# Altium PCB Roll_Min_R00.PcbDoc (part 1 of 2) (continued)
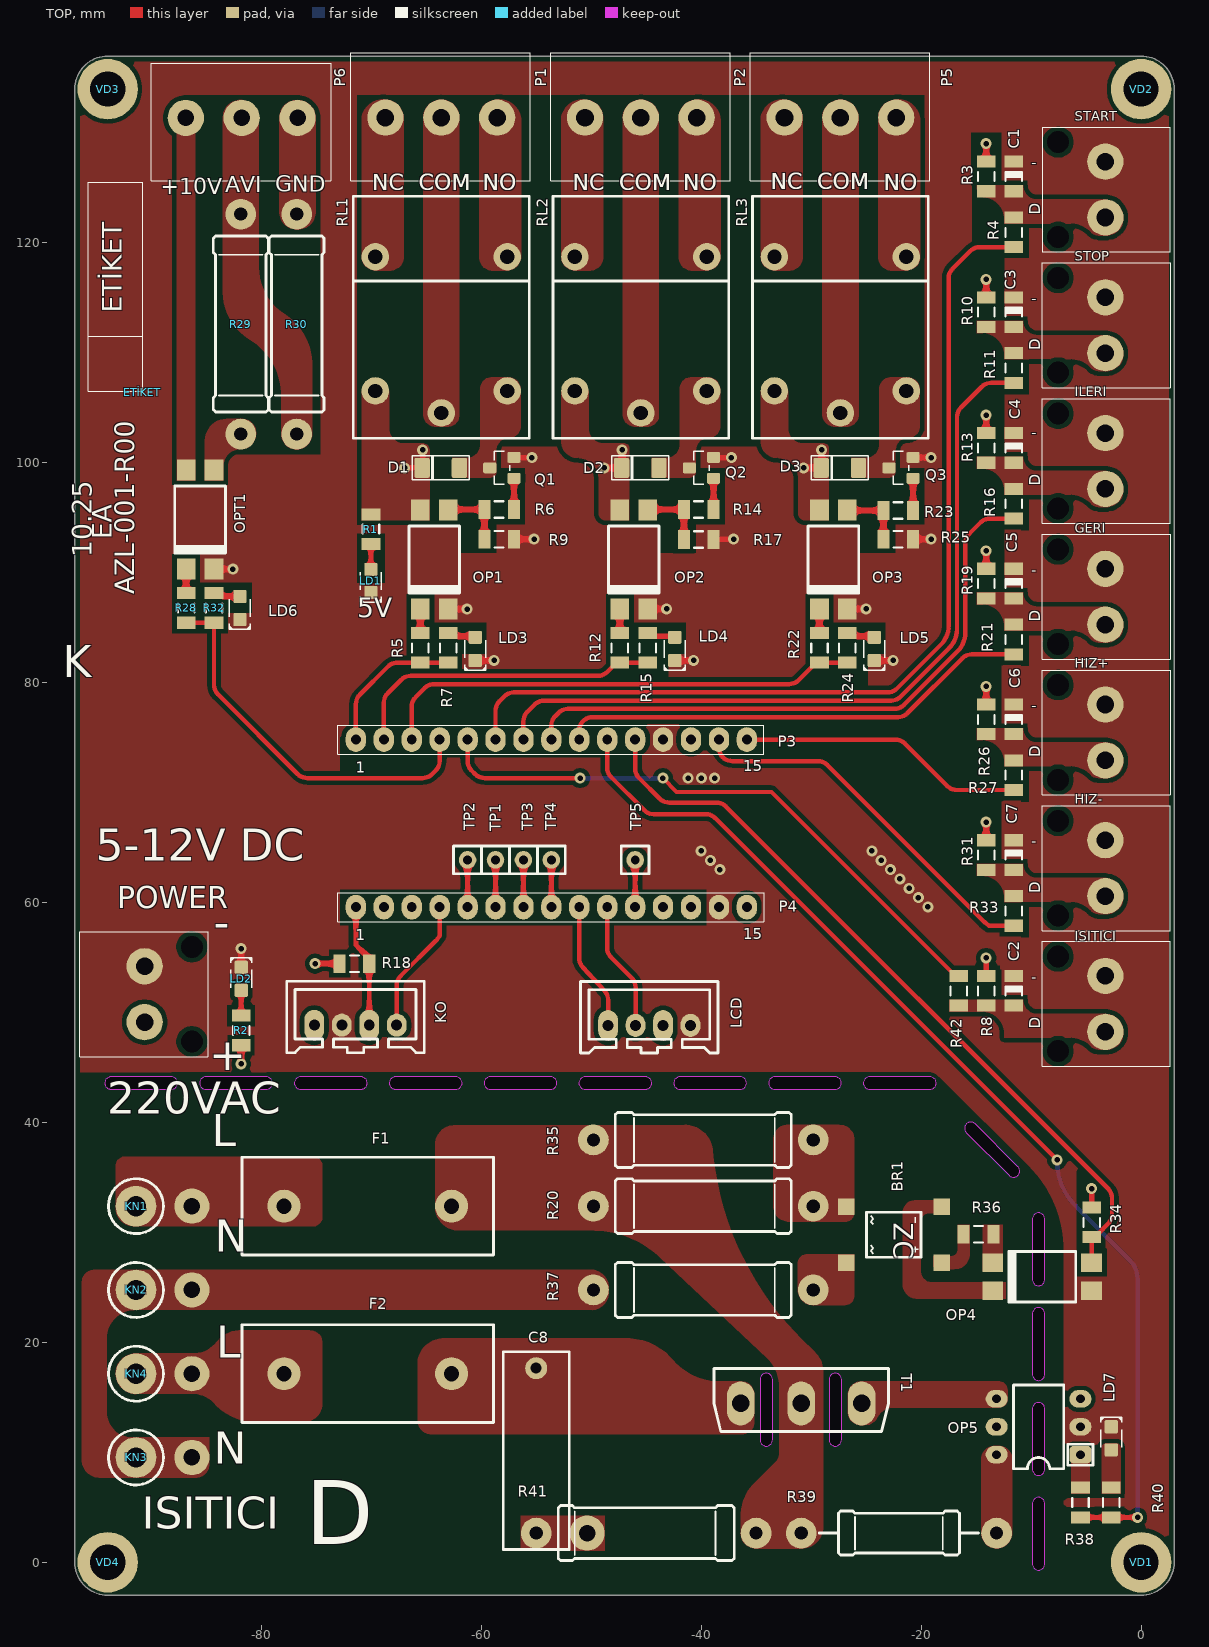
[diagram p0: TOP view]
## Nets (pads, with @x,y where several pads share a name; then routed paths per layer and width w, separated by ;. In a path a pad name is that pad's centre, name@x,y a point inside that pad or via, vN(x,y) a via of type N, cw(c..) or ccw(c..) an arc to the next point about the centre after c; other vN are vias at no path point) (continued)
IN_LINE: F1.1 R20.2 R35.2 R39.2 R41.2 T1.2
ISITICI: P3.10 R38.1 R40.2 | length 98.8
  TOP w0.4: P3.10@-48.565,74.829 -48.565,72.27 ccw(c-47.365,72.27) -48.215,71.423 -45.185,68.393 ccw(c-44.338,69.243) -44.338,68.043 -39.588,68.043 cw(c-39.588,66.843) -38.738,67.691 -7.65,36.603 v1(-7.65,36.6) ; R38.1@-5.524,4.087 R40.2@-2.724,4.087 v1(-0.324,4.087)
  BOT w0.4: v1(-7.65,36.6) -7.65,36.481 ccw(c-1.901,36.481) -5.966,32.416 -1.025,27.475 cw(c-2.728,25.778) -0.324,25.778 v1(-0.324,4.087)
ISITICI_ON/OFF: P3.5 R42.1 | length 54.9
  TOP w0.35: v1(-43.506,71.329) -42.252,70.075 -33.636,70.075 -16.893,53.332 R42.1@-16.593,53.332
  TOP w0.4: P3.5@-61.265,74.829 -61.265,72.876 ccw(c-60.065,72.876) -60.914,72.028 -60.566,71.68 ccw(c-59.718,72.529) -59.718,71.329 v1(-51.025,71.329)
  BOT w0.4: v1(-51.025,71.329) v1(-43.506,71.329)
KO_A: KO.4 P4.4 | length 12.3
  TOP w0.4: KO.4@-67.71,48.854 -67.71,52.476 cw(c-66.51,52.476) -67.359,53.325 -64.156,56.528 ccw(c-65.005,57.376) -64.025,56.683 -63.805,56.994 P4.4@-63.805,59.589
KO_D: KO.3 P4.1 R18.2 | length 11.2
  TOP w0.45: P4.1@-71.425,59.589 -71.425,56.165 -70.21,54.95 -70.21,54.65 KO.3@-70.21,48.854
NetBR1_1: BR1.1 R20.1 R35.1
NetBR1_2: BR1.2 R37.1
NetBR1_3: BR1.3 R36.1
NetBR1_4: BR1.4 OP4.2
NetC1_2: C1.2 R3.1 R4.1 START.2
NetC2_2: C2.2 ISITICI.2 R8.1 R42.2
NetC3_2: C3.2 R10.1 R11.1 STOP.2
NetC4_2: C4.2 ILERI.2 R13.1 R16.1
NetC5_2: C5.2 GERI.2 R19.1 R21.1
NetC6_2: C6.2 HIZ+.2 R26.1 R27.1
NetC7_2: C7.2 HIZ-.2 R31.1 R33.1
NetC8_1: C8.1 F2.1 T1.1
NetC8_2: C8.2 pad.2@-50.399,2.653 R41.1
NetD1_2: D1.2 Q1.3 RL1.2
NetD2_2: D2.2 Q2.3 RL2.2
NetD3_2: D3.2 Q3.3 RL3.2
NetF1_2: F1.2 KN1.1 pad.2@-86.344,32.393
NetF2_2: F2.2 KN4.1 pad.2@-86.344,17.153
NetLD1_2: LD1.2 R1.1 | length 2.3
  TOP w0.4: LD1.2@-70.058,90.313 R1.1@-70.058,92.613
NetLD2_2: LD2.2 R2.1 | length 2.3
  TOP w0.4: R2.1@-81.856,49.748 LD2.2@-81.856,52.048
NetLD3_2: LD3.2 R7.1 | length 2.5
  TOP w0.5: R7.1@-63.024,84.529 -62.72,84.225 LD3.2@-60.671,84.225
NetLD4_2: LD4.2 R15.1 | length 2
  TOP w0.5: R15.1@-44.57,84.225 LD4.2@-42.521,84.225
NetLD5_2: LD5.2 R24.1 | length 2.5
  TOP w0.5: R24.1@-26.724,84.529 -26.42,84.225 LD5.2@-24.371,84.225
NetLD6_2: LD6.2 R32.1 | length 2.5
  TOP w0.5: R32.1@-84.328,88.155 -84.024,87.851 LD6.2@-81.975,87.851
NetLD7_2: LD7.2 R40.1
NetOP1_1: OP1.1 R5.2 | length 2.2
  TOP w0.5: R5.2@-65.564,84.529 OP1.1@-65.564,86.769
NetOP1_3: OP1.3 R6.1 R9.2 | length 5.7
  TOP w0.5: OP1.3@-62.922,95.763 R6.1@-59.744,95.763 R9.2@-59.744,93.263
NetOP2_1: OP2.1 R12.2 | length 4.5
  TOP w0.5: R12.2@-47.414,84.529 -47.414,86.769 R12.2@-47.414,84.529
NetOP2_3: OP2.3 R14.1 R17.2 | length 11.4
  TOP w0.5: R14.1@-41.594,95.763 -41.594,93.263 R14.1@-41.594,95.763 ; R14.1@-41.594,95.763 -44.772,95.763 R14.1@-41.594,95.763
NetOP3_1: OP3.1 R22.2 | length 2.2
  TOP w0.5: R22.2@-29.264,84.529 OP3.1@-29.264,86.769
NetOP3_3: OP3.3 R23.1 R25.2 | length 5.6
  TOP w0.5: OP3.3@-26.622,95.663 R23.1@-23.444,95.663 R25.2@-23.444,93.263
NetOP4_1: OP4.1 R36.2
NetOP5_1: OP5.1 R38.2
NetOP5_4: OP5.4 T1.3
NetOP5_6: OP5.6 R39.1
NetOPT1_1: OPT1.1 R28.2 | length 2.2
  TOP w0.5: OPT1.1@-86.868,90.395 R28.2@-86.868,88.155
NetOPT1_3: OPT1.3 R29.1
NetOPT1_4: OPT1.4 P6.1
NetP1_1: P1.1 RL1.4
NetP1_2: P1.2 RL1.1
NetP1_3: P1.3 RL1.3
NetP2_1: P2.1 RL2.4
NetP2_2: P2.2 RL2.1
NetP2_3: P2.3 RL2.3
NetP4_5: P4.5 TP2.1 | length 8.6
  TOP w0.45: P4.5@-61.265,59.589 TP2.1@-61.265,63.889
  BOT w0.45: P4.5@-61.265,59.589 TP2.1@-61.265,63.889
NetP4_6: P4.6 TP1.1 | length 8.6
  TOP w0.45: P4.6@-58.725,59.589 TP1.1@-58.725,63.889
  BOT w0.45: P4.6@-58.725,59.589 TP1.1@-58.725,63.889
NetP4_7: P4.7 TP3.1 | length 8.6
  TOP w0.45: P4.7@-56.185,59.589 TP3.1@-56.185,63.889
  BOT w0.45: P4.7@-56.185,59.589 TP3.1@-56.185,63.889
NetP4_8: P4.8 TP4.1 | length 8.6
  TOP w0.45: P4.8@-53.645,59.589 TP4.1@-53.645,63.889
  BOT w0.45: P4.8@-53.645,59.589 TP4.1@-53.645,63.889
NetP4_11: P4.11 TP5.1 | length 8.6
  TOP w0.45: P4.11@-46.025,59.589 TP5.1@-46.025,63.889
  BOT w0.45: P4.11@-46.025,59.589 TP5.1@-46.025,63.889
NetP5_1: P5.1 RL3.4
NetP5_2: P5.2 RL3.1
NetP5_3: P5.3 RL3.3
NetP6_2: P6.2 R29.2 R30.1
NetP6_3: P6.3 R30.2
NetQ1_1: Q1.1 R6.2 | length 2.8
  TOP w0.5: R6.2@-57.044,95.763 Q1.1@-57.044,98.595
NetQ2_1: Q2.1 R14.2 | length 5.7
  TOP w0.5: R14.2@-38.894,95.763 Q2.1@-38.894,98.595 R14.2@-38.894,95.763
NetQ3_1: Q3.1 R23.2 | length 2.8
  TOP w0.5: R23.2@-20.744,95.763 Q3.1@-20.744,98.595
NOTR: KN2.1 KN3.1 pad.2@-86.344,9.533 pad.2@-86.344,24.773 R37.2
ROLE_1: P3.1 R5.1 R7.2 | length 13.4
  TOP w0.4: P3.1@-71.425,74.829 -71.425,78.052 cw(c-70.225,78.052) -71.074,78.9 -68.496,81.478 cw(c-67.648,80.629) -67.968,81.786 -67.811,81.829 R5.1@-65.564,81.829 R7.2@-63.024,81.829
ROLE_2: P3.2 R12.1 R15.2 | length 29
  TOP w0.4: P3.2@-68.885,74.829 -68.885,78.192 cw(c-67.685,78.192) -68.532,79.042 -67.293,80.28 cw(c-66.445,79.432) -66.445,80.632 -49.409,80.632 ccw(c-49.409,81.832) -48.56,80.983 -48.064,81.479 R12.1@-47.414,81.829 R15.2@-44.874,81.829
ROLE_3: P3.3 R22.1 R24.2 | length 44.4
  TOP w0.4: P3.3@-66.354,74.829 cw(c-65.154,74.833) -66.354,74.833 -66.354,77.832 cw(c-65.154,77.832) -66.003,78.68 -65.155,79.528 cw(c-64.307,78.68) -64.307,79.88 -32.011,79.88 ccw(c-32.011,81.08) -31.163,80.231 -29.914,81.479 R22.1@-29.264,81.829 -28.614,81.829 R24.2@-26.724,81.829
ROLL_PWM: P3.4 R28.1 R32.2 | length 35.2
  TOP w0.4: R28.1@-86.868,85.455 -86.218,85.455 R32.2@-84.328,85.455 -84.328,79.8 ccw(c-83.128,79.8) -83.977,78.952 -76.705,71.679 ccw(c-75.857,72.529) -75.857,71.329 -65.351,71.329 ccw(c-65.351,72.529) -64.503,71.68 -64.156,72.028 ccw(c-65.005,72.876) -63.805,72.876 P3.4@-63.805,74.829
SCL: LCD.2 P4.10 | length 11.7
  TOP w0.4: P4.10@-48.565,59.589 -48.565,55.872 ccw(c-47.365,55.872) -48.213,55.023 -46.335,53.145 cw(c-47.185,52.298) -45.985,52.298 LCD.2@-45.985,48.831
SDA: LCD.1 P4.9 | length 11.7
  TOP w0.4: P4.9@-51.105,59.589 -51.105,54.933 ccw(c-49.905,54.933) -50.791,54.124 -48.8,51.952 cw(c-49.685,51.141) -48.485,51.141 LCD.1@-48.485,48.831
START: P3.6 R4.2 | length 86.6
  TOP w0.4: P3.6@-58.725,74.829 -58.725,77.462 cw(c-57.525,77.462) -58.374,78.31 -57.907,78.776 cw(c-57.059,77.928) -57.059,79.128 -23.053,79.128 ccw(c-23.053,80.328) -22.205,79.479 -18.206,83.478 ccw(c-19.903,85.174) -17.503,85.174 -17.503,116.815 cw(c-16.303,116.815) -17.153,117.662 -15.544,119.271 cw(c-14.696,118.422) -14.696,119.622 R4.2@-11.593,119.622
STOP: P3.7 R11.2 | length 71.1
  TOP w0.4: P3.7@-56.185,74.829 -56.185,76.502 cw(c-54.985,76.502) -55.834,77.35 -55.159,78.024 cw(c-54.311,77.176) -54.311,78.376 -22.742,78.376 ccw(c-22.742,79.576) -21.893,78.727 -17.454,83.166 ccw(c-19.151,84.863) -16.751,84.863 -16.751,104.169 cw(c-15.551,104.169) -16.401,105.017 -14.492,106.926 cw(c-13.643,106.077) -13.643,107.277 R11.2@-11.593,107.277
VIN: P4.15 POWER.1 R2.2 | length 1.7
  TOP w0.5: v1(-81.856,45.329) R2.2@-81.856,47.048
Zero_Cross: OP4.4 P3.11 R34.2 | length 68.8
  TOP w0.4: P3.11@-46.025,74.829 -46.025,72.194 ccw(c-44.825,72.194) -45.675,71.347 -43.778,69.45 ccw(c-42.931,70.3) -42.931,69.1 -38.62,69.1 cw(c-38.62,67.9) -37.773,68.75 -3.004,33.982 cw(c-3.854,33.135) -2.654,33.135 -2.654,31.632 cw(c-3.854,31.632) -3.006,30.783 -3.867,29.922 R34.2@-4.061,29.729 ; OP4.4@-4.499,27.247 R34.2@-4.499,29.572
pads on no net: GERI.0 HIZ+.0 HIZ-.0 ILERI.0 ISITICI.0 OP5.3 OP5.5 P3.13 P4.3 P4.13 POWER.0 START.0 STOP.0 VD1.0 VD2.0 VD3.0 VD4.0

## Polygon pours and split planes (outlines as drawn)
GND on BOT "GND_L02_P3631" (solid, remove dead copper, pour order 3631): 3,31.943 3,-2.998 -7.031,-3.004 -7.031,27.715 ccw(c-19.201,27.715) -10.595,36.32 -17.96,43.685 ccw(c-20.058,41.586) -20.058,44.554 -97,44.554 -97,134 cw(c-94,134) -94,137 0,137 cw(c0,134) 3,134 3,43.6
IN_LINE on BOT "IN_LINE_L02_P3632" (solid, remove dead copper, pour order 3632): -28.924,17.322 -28.924,3.246 cw(c-30.923,3.246) -30.923,1.247 -35.043,1.247 cw(c-35.043,2.629) -36.424,2.629 -36.424,4.184 cw(c-32.13,4.185) -35.166,7.221 -33.285,9.103 ccw(c-34.153,9.972) -32.924,9.974 -32.925,16.021 ccw(c-36.38,16.021) -34.011,18.537 -43.758,27.715 ccw(c-49.976,21.113) -49.976,30.182 -62.066,30.182 cw(c-62.066,32.341) -64.224,32.342 -64.223,37.961 cw(c-62.412,37.96) -62.412,39.771 -41.506,39.78 cw(c-41.505,37.23) -38.965,37.461 ccw(c-11.444,39.969) -30.985,20.428 -29.663,19.106 cw(c-31.446,17.322)
+5v on BOT "+5V_L02_P3630" (solid, remove dead copper, pour order 3630): -76.11,48.854 -74.31,48.854 -74.31,53.691 cw(c-73.076,53.691) -73.076,54.925 -45.213,54.925 cw(c-45.213,54.097) -44.385,54.097 -44.385,48.292 -42.585,48.292 -42.585,61.089 -42.585,65.099 cw(c-41.199,65.099) -41.199,66.485 -16.22,66.485 cw(c-16.22,65.108) -14.843,65.108 -14.843,45.626 ccw(c-11.996,45.626) -11.996,42.779 -6.45,42.779 cw(c-6.45,41.484) -5.154,41.484 -5.154,34.069 ccw(c-4.577,34.069) -4.577,33.492 -4.453,33.492 ccw(c-4.453,34.091) -3.854,34.091 -3.854,42.444 ccw(c-5.69,42.444) -5.69,44.279 -11.204,44.279 cw(c-11.205,46.417) -13.343,46.417 -13.343,65.141 cw(c-11.999,65.141) -11.999,66.485 ccw(c-11.999,68.56) -9.924,68.56 -9.924,90.757 -9.924,103.843 -9.924,104.859 -9.924,117.204 -9.924,128.698 ccw(c-10.774,128.699) -10.774,129.549 -14.11,129.549 ccw(c-14.11,129.078) -14.581,129.078 -14.581,128.991 ccw(c-14.123,128.991) -14.123,128.533 -12.658,128.533 cw(c-12.658,127.599) -11.724,127.598 -11.724,118.062 cw(c-12.581,118.062) -12.582,117.204 -14.11,117.204 ccw(c-14.11,116.733) -14.581,116.733 -14.581,116.646 ccw(c-14.123,116.646) -14.123,116.188 -12.561,116.188 cw(c-12.561,115.35) -11.724,115.35 -11.724,105.76 cw(c-12.624,105.76) -12.625,104.859 -14.11,104.859 ccw(c-14.11,104.388) -14.581,104.388 -14.581,104.301 -14.581,103.741 cw(c-15.65,103.741) -15.651,102.672 -31.372,102.672 cw(c-31.372,103.757) -32.457,103.757 -32.457,106.545 -34.257,106.545 -34.257,103.811 cw(c-35.396,103.811) -35.396,102.672 -49.996,102.672 cw(c-49.996,103.283) -50.607,103.283 -50.607,106.545 -52.407,106.545 -52.407,103.237 cw(c-52.971,103.236) -52.971,102.672 -67.866,102.672 cw(c-67.866,103.562) -68.757,103.562 -68.757,106.545 -70.557,106.545 -70.557,102.672 -70.607,102.672 -70.607,102.184 ccw(c-69.812,102.184) -69.812,101.39 -68.018,101.39 cw(c-68.018,100.876) -67.504,100.876 -67.504,99.569 ccw(c-66.991,99.569) -66.991,99.057 -65.453,99.057 ccw(c-65.453,99.658) -64.852,99.658 -64.852,100.815 cw(c-64.277,100.815) -64.277,101.39 -50.154,101.39 cw(c-50.154,100.59) -49.354,100.59 -49.354,99.536 ccw(c-48.874,99.536) -48.874,99.057 -47.243,99.057 ccw(c-47.243,99.6) -46.7,99.6 -46.7,100.652 cw(c-45.962,100.652) -45.962,101.39 -31.98,101.39 cw(c-31.98,100.614) -31.204,100.614 -31.204,99.474 ccw(c-30.787,99.474) -30.787,99.057 -29.142,99.057 ccw(c-29.142,99.647) -28.551,99.647 -28.551,100.659 cw(c-27.82,100.659) -27.82,101.39 -13.145,101.39 cw(c-13.145,99.969) -11.724,99.969 -11.724,93.138 cw(c-12.348,93.138) -12.348,92.514 -14.11,92.514 ccw(c-14.11,92.043) -14.581,92.043 -14.581,91.956 ccw(c-14.123,91.956) -14.123,91.498 -12.323,91.498 cw(c-12.323,90.899) -11.724,90.898 -11.724,80.735 cw(c-12.29,80.735) -12.29,80.169 -14.11,80.169 ccw(c-14.11,79.698) -14.581,79.698 -14.581,79.611 ccw(c-14.123,79.611) -14.123,79.153 -12.278,79.153 cw(c-12.278,78.599) -11.724,78.598 -11.724,69.66 cw(c-13.098,69.659) -13.099,68.285 -41.699,68.285 ccw(c-41.699,65.599) -44.385,65.599 -44.385,62.999 -44.385,56.942 cw(c-45.276,56.942) -45.277,56.05 -74.31,56.05 -74.493,56.05 ccw(c-74.493,54.433) -76.11,54.433
NetP1_1 on BOT "NETP1_1_L02_P3613" (solid, remove dead copper, pour order 3613): -68.76,133.056 -68.996,133.056 ccw(c-68.996,131.145) -70.907,131.145 -70.907,118.75 ccw(c-69.652,118.75) -69.652,117.495 -68.319,117.495 ccw(c-68.319,118.727) -67.087,118.727 -67.087,131.383 ccw(c-68.76,131.383)
NetC8_1 on BOT "NETC8_1_L02_P3627" (solid, remove dead copper, pour order 3627): -36.335,16.448 -38.258,16.448 cw(c-38.258,22.219) -42.637,18.459 ccw(c-46.796,14.888) -46.796,20.37 -63.444,20.37 ccw(c-63.444,17.995) -65.819,17.995 -65.819,12.901 ccw(c-64.561,12.901) -64.561,11.643 -36.268,11.643 ccw(c-36.267,12.736) -35.174,12.736 -35.174,15.287 ccw(c-36.335,15.287)
NetC8_2 on BOT "NETC8_2_L02_P3608" (solid, remove dead copper, pour order 3608): -48.806,4.253 -56.424,4.253 -56.424,1.053 -48.806,1.053
NetBR1_2 on BOT "NETBR1_2_L02_P3607" (solid, remove dead copper, pour order 3607): -26.09,27.997 -26.09,24.263 cw(c-26.98,24.263) -26.98,23.373 -29.819,23.373 cw(c-29.819,24.778) -31.224,24.778 -31.224,27.201 cw(c-30.428,27.201) -30.428,27.997
VIN on BOT "VIN_L02_P3623" (solid, remove dead copper, pour order 3623): -36.79,44.65 -36.19,44.65 ccw(c-36.19,45.9) -34.94,45.9 -34.94,59.789 ccw(c-35.865,59.789) -35.865,60.714 ccw(c-35.865,59.789) -36.79,59.789 -36.79,47.049 cw(c-37.938,47.049) -37.938,45.9 -88.075,45.9 cw(c-88.075,46.818) -88.993,46.818 -88.993,49.132 -92.293,49.132 -92.293,45.893 ccw(c-91.05,45.893) -91.05,44.65
NetBR1_1 on BOT "NETBR1_1_L02_P3619" (solid, remove dead copper, pour order 3619): -32.058,30.993 -26.872,30.993 ccw(c-26.872,31.775) -26.09,31.775 -26.09,38.669 ccw(c-27.234,38.669) -27.234,39.813 -32.281,39.813 ccw(c-32.281,38.65) -33.443,38.65 -33.443,32.378 ccw(c-32.058,32.378)
NOTR on BOT "NOTR_L02_P3628" (solid, remove dead copper, pour order 3628): -96.369,25.446 -96.369,9.394 ccw(c-94.658,9.394) -94.658,7.683 -86,7.683 ccw(c-86,8.936) -84.747,8.936 -84.747,11.383 -91.835,11.383 cw(c-91.836,13.616) -94.069,13.617 -94.069,20.443 cw(c-91.59,20.443) -91.589,22.923 -50.087,22.923 ccw(c-50.086,24.585) -48.424,24.585 -48.424,24.96 ccw(c-50.087,24.96) -50.087,26.623 -88.964,26.623 -88.964,26.608 -95.207,26.608 ccw(c-95.208,25.446)
NetF1_2 on BOT "NETF1_2_L02_P3626" (solid, remove dead copper, pour order 3626): -93.274,36.065 -93.274,32.216 ccw(c-91.601,32.216) -91.601,30.543 -75.345,30.543 ccw(c-75.345,31.423) -74.464,31.423 -74.464,36.033 ccw(c-75.334,36.033) -75.334,36.904 -92.436,36.904 ccw(c-92.436,36.065)
NetF2_2 on BOT "NETF2_2_L02_P3625" (solid, remove dead copper, pour order 3625): -93.274,17.178 ccw(c-91.399,17.178) -91.399,15.303 -88.951,15.303 -86.227,15.303 cw(c-86.227,12.708) -84.304,14.45 ccw(c-80.375,18.008) -80.375,12.708 -76.221,12.708 ccw(c-76.221,14.465) -74.464,14.465 -74.464,19.616 ccw(c-75.947,19.616) -75.947,21.098 -81.804,21.098 ccw(c-81.804,18.062) -84.167,19.968 cw(c-86.187,21.597) -86.187,19.003 -91.45,19.003 ccw(c-91.45,17.178)
NetOP5_4 on BOT "NETOP5_4_L02_P3611" (solid, remove dead copper, pour order 3611): -12.144,15.657 -12.144,14.849 cw(c-12.926,14.848) -12.926,14.067 -22.555,14.067 ccw(c-22.555,12.448) -24.017,13.144 cw(c-25.12,13.67) -25.121,12.448 -25.456,12.448 cw(c-25.456,13.666) -26.674,13.666 -26.674,15.218 cw(c-25.444,15.218) -25.444,16.448 -12.935,16.448 cw(c-12.935,15.657)
NetOP5_6 on BOT "NETOP5_6_L02_P3609" (solid, remove dead copper, pour order 3609): -14.544,9.367 -14.544,2.653 ccw(c-13.144,2.653) -13.144,1.253 ccw(c-13.144,2.653) -11.744,2.653 -11.744,9.387 ccw(c-12.944,9.387) -12.944,10.587 -13.324,10.587 ccw(c-13.324,9.367)
NetP6_3 on BOT "NETP6_3_L02_P3610" (solid, remove dead copper, pour order 3610): -76.761,133.019 ccw(c-76.761,131.393) -78.388,131.393 -78.388,122.869 ccw(c-76.738,122.869) -76.738,121.219 ccw(c-76.738,122.869) -75.088,122.869 -75.088,131.346 ccw(c-76.761,131.346)
NetP5_2 on BOT "NETP5_2_L02_P3622" (solid, remove dead copper, pour order 3622): -27.351,133.056 cw(c-27.351,131.412) -25.707,131.412 -25.707,104.351 cw(c-26.762,104.351) -26.762,103.295 -27.874,103.295 cw(c-27.874,104.428) -29.007,104.428 -29.007,131.401 cw(c-27.351,131.401)
NetP2_2 on BOT "NETP2_2_L02_P3621" (solid, remove dead copper, pour order 3621): -45.501,133.056 cw(c-45.501,131.412) -43.857,131.412 -43.857,104.351 cw(c-44.912,104.351) -44.912,103.295 -46.024,103.295 cw(c-46.024,104.428) -47.157,104.428 -47.157,131.401 cw(c-45.501,131.401)
NetP1_2 on BOT "NETP1_2_L02_P3620" (solid, remove dead copper, pour order 3620): -63.651,133.056 cw(c-63.651,131.412) -62.007,131.412 -62.007,104.351 cw(c-63.062,104.351) -63.062,103.295 -64.174,103.295 cw(c-64.174,104.428) -65.307,104.428 -65.307,131.401 cw(c-63.651,131.401)
NetP1_3 on BOT "NETP1_3_L02_P3618" (solid, remove dead copper, pour order 3618): -58.553,133.056 -58.318,133.056 cw(c-58.318,131.145) -56.407,131.145 -56.407,118.75 cw(c-57.661,118.75) -57.661,117.495 -58.995,117.495 cw(c-58.995,118.727) -60.227,118.727 -60.227,131.383 cw(c-58.553,131.383)
NetP5_3 on BOT "NETP5_3_L02_P3617" (solid, remove dead copper, pour order 3617): -22.253,133.056 -22.018,133.056 cw(c-22.018,131.145) -20.107,131.145 -20.107,118.75 cw(c-21.361,118.75) -21.361,117.495 -22.695,117.495 cw(c-22.695,118.727) -23.927,118.727 -23.927,131.383 cw(c-22.253,131.383)
NetP2_3 on BOT "NETP2_3_L02_P3616" (solid, remove dead copper, pour order 3616): -40.403,133.056 -40.168,133.056 cw(c-40.168,131.145) -38.257,131.145 -38.257,118.75 cw(c-39.511,118.75) -39.511,117.495 -40.845,117.495 cw(c-40.845,118.727) -42.077,118.727 -42.077,131.383 cw(c-40.403,131.383)
NetP2_1 on BOT "NETP2_1_L02_P3615" (solid, remove dead copper, pour order 3615): -50.61,133.056 -50.846,133.056 ccw(c-50.846,131.145) -52.757,131.145 -52.757,118.75 ccw(c-51.502,118.75) -51.502,117.495 -50.169,117.495 ccw(c-50.169,118.727) -48.937,118.727 -48.937,131.383 ccw(c-50.61,131.383)
NetP5_1 on BOT "NETP5_1_L02_P3614" (solid, remove dead copper, pour order 3614): -32.46,133.056 -32.695,133.056 ccw(c-32.695,131.145) -34.607,131.145 -34.607,118.75 ccw(c-33.352,118.75) -33.352,117.495 -32.019,117.495 ccw(c-32.019,118.727) -30.787,118.727 -30.787,131.383 ccw(c-32.46,131.383)
NetP1_1 on BOT "NETP1_1_L02_P3612" (solid, remove dead copper, pour order 3612): -68.76,133.056 -68.996,133.056 ccw(c-68.996,131.145) -70.907,131.145 -70.907,118.75 ccw(c-69.652,118.75) -69.652,117.495 -68.319,117.495 ccw(c-68.319,118.727) -67.087,118.727 -67.087,131.383 ccw(c-68.76,131.383)
NetP6_2 on BOT "NETP6_2_L02_P3624" (solid, remove dead copper, pour order 3624): -78.21,106.142 -78.21,102.603 ccw(c-76.819,102.603) -76.818,101.212 ccw(c-76.818,102.621) -75.41,102.621 -75.41,108.905 ccw(c-80.987,108.905) -77.998,113.614 cw(c-75.41,117.692) -80.24,117.692 -80.24,131.338 ccw(c-81.913,131.338) -81.913,133.012 ccw(c-81.914,131.386) -83.54,131.386 -83.54,115.69 ccw(c-78.211,115.69) -81.008,111.155 cw(c-84.1,106.142)
GND on TOP "GND_L01_P3606" (solid, remove dead copper, pour order 3606): 3,31.943 3,-2.998 -7.031,-3.004 -7.031,28.417 ccw(c-17.764,28.417) -10.174,36.006 -18.117,43.949 ccw(c-19.578,42.489) -19.578,44.554 -97,44.554 -97,134 cw(c-94,134) -94,137 0,137 cw(c0,134) 3,134 3,43.6
NetC2_2 on TOP "NETC2_2_L01_P3581" (solid, remove dead copper, pour order 3581): -17.443,51.182 -10.743,51.182 ccw(c-9.461,51.182) -9.461,49.9 -3.345,49.9 cw(c-3.345,48.161) -1.606,48.161 cw(c-3.164,48.161) -3.164,46.604 -3.805,46.604 cw(c-3.805,47.702) -4.597,46.941 ccw(c-6.385,45.22) -6.385,47.702 -12.443,47.702 -12.443,48.098 ccw(c-14.427,48.098) -14.427,50.082 -17.443,50.082
GND on TOP "GND_L01_P3560" (solid, remove dead copper, pour order 3560): -3.196,52.782 -3.196,53.882 -12.443,53.882 -12.443,52.782
NetP2_2 on TOP "NETP2_2_L01_P3597" (solid, remove dead copper, pour order 3597): -45.501,133.056 cw(c-45.501,131.412) -43.857,131.412 -43.857,104.351 cw(c-44.912,104.351) -44.912,103.295 -46.024,103.295 cw(c-46.024,104.428) -47.157,104.428 -47.157,131.401 cw(c-45.501,131.401)
NetP2_3 on TOP "NETP2_3_L01_P3592" (solid, remove dead copper, pour order 3592): -40.403,133.056 -40.168,133.056 cw(c-40.168,131.145) -38.257,131.145 -38.257,118.75 cw(c-39.511,118.75) -39.511,117.495 -40.845,117.495 cw(c-40.845,118.727) -42.077,118.727 -42.077,131.383 cw(c-40.403,131.383)
NetP2_1 on TOP "NETP2_1_L01_P3591" (solid, remove dead copper, pour order 3591): -50.61,133.056 -50.846,133.056 ccw(c-50.846,131.145) -52.757,131.145 -52.757,118.75 ccw(c-51.502,118.75) -51.502,117.495 -50.169,117.495 ccw(c-50.169,118.727) -48.937,118.727 -48.937,131.383 ccw(c-50.61,131.383)
+5v on TOP "TOP-+5v" (solid, remove dead copper, pour order 3587): -66.829,94.763 ccw(c-66.826,95.431) -66.826,94.763 -64.712,94.763 -64.712,101.167 ccw(c-65.318,101.167) -65.318,101.772 -67.027,101.772 cw(c-67.022,103.157) -68.407,103.157 -68.407,106.545 -70.907,106.545 -70.907,101.957 ccw(c-69.395,101.957) -70.895,101.772 -70.908,101.772 -70.908,94.763
+5v on TOP "TOP-+5v 1" (solid, remove dead copper, pour order 3583): -30.526,94.763 -28.412,94.763 -28.412,101.361 ccw(c-28.823,101.361) -28.823,101.772 -30.722,101.772 cw(c-30.722,103.157) -32.107,103.157 -32.107,106.545 -34.607,106.545 -34.607,101.957 ccw(c-33.095,101.957) -33.095,100.445 cw(c-33.095,98.542) -31.192,98.542 -31.192,95.429 ccw(c-30.526,95.429)
+5v on TOP "TOP-+5v 2" (solid, remove dead copper, pour order 3582): -48.676,94.763 -46.562,94.763 -46.562,101.361 ccw(c-46.973,101.361) -46.973,101.772 -48.872,101.772 cw(c-48.872,103.157) -50.257,103.157 -50.257,106.545 -52.757,106.545 -52.757,101.957 ccw(c-51.245,101.957) -51.245,100.445 cw(c-51.245,98.542) -49.342,98.542 -49.342,95.429 ccw(c-48.676,95.429)
NetP6_2 on TOP "NETP6_2_L01_P3600" (solid, remove dead copper, pour order 3600): -78.21,106.142 -78.21,102.603 ccw(c-76.819,102.603) -76.818,101.212 ccw(c-76.818,102.621) -75.41,102.621 -75.41,108.905 ccw(c-80.987,108.905) -77.998,113.614 cw(c-75.41,117.692) -80.24,117.692 -80.24,131.338 ccw(c-81.913,131.338) -81.913,133.012 ccw(c-81.914,131.386) -83.54,131.386 -83.54,115.69 ccw(c-78.211,115.69) -81.008,111.155 cw(c-84.1,106.142)
NetP6_3 on TOP "NETP6_3_L01_P3584" (solid, remove dead copper, pour order 3584): -76.761,133.019 ccw(c-76.761,131.393) -78.388,131.393 -78.388,122.869 ccw(c-76.738,122.869) -76.738,121.219 ccw(c-76.738,122.869) -75.088,122.869 -75.088,131.346 ccw(c-76.761,131.346)
NetP5_2 on TOP "NETP5_2_L01_P3598" (solid, remove dead copper, pour order 3598): -27.351,133.056 cw(c-27.351,131.412) -25.707,131.412 -25.707,104.351 cw(c-26.762,104.351) -26.762,103.295 -27.874,103.295 cw(c-27.874,104.428) -29.007,104.428 -29.007,131.401 cw(c-27.351,131.401)
NetP1_2 on TOP "NETP1_2_L01_P3596" (solid, remove dead copper, pour order 3596): -63.651,133.056 cw(c-63.651,131.412) -62.007,131.412 -62.007,104.351 cw(c-63.062,104.351) -63.062,103.295 -64.174,103.295 cw(c-64.174,104.428) -65.307,104.428 -65.307,131.401 cw(c-63.651,131.401)
NetP1_3 on TOP "NETP1_3_L01_P3594" (solid, remove dead copper, pour order 3594): -58.553,133.056 -58.318,133.056 cw(c-58.318,131.145) -56.407,131.145 -56.407,118.75 cw(c-57.661,118.75) -57.661,117.495 -58.995,117.495 cw(c-58.995,118.727) -60.227,118.727 -60.227,131.383 cw(c-58.553,131.383)
NetP5_3 on TOP "NETP5_3_L01_P3593" (solid, remove dead copper, pour order 3593): -22.253,133.056 -22.018,133.056 cw(c-22.018,131.145) -20.107,131.145 -20.107,118.75 cw(c-21.361,118.75) -21.361,117.495 -22.695,117.495 cw(c-22.695,118.727) -23.927,118.727 -23.927,131.383 cw(c-22.253,131.383)
NetP5_1 on TOP "NETP5_1_L01_P3590" (solid, remove dead copper, pour order 3590): -32.46,133.056 -32.695,133.056 ccw(c-32.695,131.145) -34.607,131.145 -34.607,118.75 ccw(c-33.352,118.75) -33.352,117.495 -32.019,117.495 ccw(c-32.019,118.727) -30.787,118.727 -30.787,131.383 ccw(c-32.46,131.383)
NetP1_1 on TOP "NETP1_1_L01_P3589" (solid, remove dead copper, pour order 3589): -68.76,133.056 -68.996,133.056 ccw(c-68.996,131.145) -70.907,131.145 -70.907,118.75 ccw(c-69.652,118.75) -69.652,117.495 -68.319,117.495 ccw(c-68.319,118.727) -67.087,118.727 -67.087,131.383 ccw(c-68.76,131.383)
NetD3_2 on TOP "NETD3_2_L01_P3573" (solid, remove dead copper, pour order 3573): -26.357,100.445 -25.03,100.445 ccw(c-25.03,101.669) -23.807,101.669 -23.807,106.738 cw(c-22.749,106.738) -22.749,107.795 -21.235,107.795 cw(c-21.235,106.684) -20.124,106.684 -20.124,103.354 cw(c-21.232,103.354) -21.232,102.245 ccw(c-21.232,101.134) -22.344,101.134 -22.344,99.172 cw(c-22.87,99.172) -22.87,98.645 -26.357,98.645 -26.357,99.119
NetC7_2 on TOP "NETC7_2_L01_P3577" (solid, remove dead copper, pour order 3577): -14.943,63.527 -10.743,63.527 ccw(c-9.461,63.527) -9.461,62.245 -3.345,62.245 cw(c-3.345,60.506) -1.606,60.506 cw(c-3.164,60.506) -3.164,58.949 -3.805,58.949 cw(c-3.805,60.047) -4.597,59.286 ccw(c-6.385,57.565) -6.385,60.047 -12.443,60.047 -12.443,60.443 ccw(c-14.427,60.443) -14.427,62.427 -14.943,62.427
GND on TOP "GND_L01_P3564" (solid, remove dead copper, pour order 3564): -3.196,89.817 -3.196,90.917 -12.443,90.917 -12.443,89.817
NetP6_3 on TOP "NETP6_3_L01_P3585" (solid, remove dead copper, pour order 3585): -76.761,133.019 ccw(c-76.761,131.393) -78.388,131.393 -78.388,122.869 ccw(c-76.738,122.869) -76.738,121.219 ccw(c-76.738,122.869) -75.088,122.869 -75.088,131.346 ccw(c-76.761,131.346)
NetP6_2 on TOP "NETP6_2_L01_P3599" (solid, remove dead copper, pour order 3599): -78.21,106.142 -78.21,102.603 ccw(c-76.819,102.603) -76.818,101.212 ccw(c-76.818,102.621) -75.41,102.621 -75.41,108.905 ccw(c-80.987,108.905) -77.998,113.614 cw(c-75.41,117.692) -80.24,117.692 -80.24,131.338 ccw(c-81.913,131.338) -81.913,133.012 ccw(c-81.914,131.386) -83.54,131.386 -83.54,115.69 ccw(c-78.211,115.69) -81.008,111.155 cw(c-84.1,106.142)
NetOPT1_4 on TOP "NETOPT1_4_L01_P3588" (solid, remove dead copper, pour order 3588): -87.718,98.39 -86.018,98.39 -86.018,131.374 -87.718,131.374
NetOPT1_3 on TOP "NETOPT1_3_L01_P3567" (solid, remove dead copper, pour order 3567): -83.096,104.024 -81.807,104.024 cw(c-81.807,102.71) -80.493,102.71 cw(c-81.98,102.71) -81.98,101.224 ccw(c-81.98,99.725) -83.478,99.725 -83.478,98.39 -85.178,98.39 -85.178,101.941 cw(c-83.096,101.941)
NetD1_2 on TOP "NETD1_2_L01_P3574" (solid, remove dead copper, pour order 3574): -62.657,100.445 -61.331,100.445 ccw(c-61.331,101.669) -60.107,101.669 -60.107,106.738 cw(c-59.049,106.738) -59.049,107.795 -57.535,107.795 cw(c-57.535,106.684) -56.424,106.684 -56.424,103.354 cw(c-57.532,103.354) -57.532,102.245 ccw(c-57.532,101.134) -58.644,101.134 -58.644,99.172 cw(c-59.17,99.172) -59.17,98.645 -62.657,98.645 -62.657,99.119
NetD2_2 on TOP "NETD2_2_L01_P3572" (solid, remove dead copper, pour order 3572): -44.507,100.445 -43.181,100.445 ccw(c-43.181,101.669) -41.957,101.669 -41.957,106.738 cw(c-40.899,106.738) -40.899,107.795 -39.385,107.795 cw(c-39.385,106.684) -38.274,106.684 -38.274,103.354 cw(c-39.382,103.354) -39.382,102.245 ccw(c-39.382,101.134) -40.494,101.134 -40.494,99.172 cw(c-41.02,99.172) -41.02,98.645 -44.507,98.645 -44.507,99.119
IN_LINE on TOP "IN_LINE_L01_P3605" (solid, remove dead copper, pour order 3605): -28.924,17.322 -28.924,3.246 cw(c-30.923,3.246) -30.923,1.247 -35.043,1.247 cw(c-35.043,2.629) -36.424,2.629 -36.424,4.184 cw(c-32.13,4.185) -35.166,7.221 -33.285,9.103 ccw(c-34.153,9.972) -32.924,9.974 -32.925,16.021 ccw(c-36.38,16.021) -34.011,18.537 -43.758,27.715 ccw(c-49.976,21.113) -49.976,30.182 -62.066,30.182 cw(c-62.066,32.341) -64.224,32.342 -64.223,37.961 cw(c-62.412,37.96) -62.412,39.771 -41.506,39.78 cw(c-41.505,37.23) -38.965,37.461 ccw(c-11.444,39.969) -30.985,20.428 -29.663,19.106 cw(c-31.446,17.322)
GND on TOP "GND_L01_P3562" (solid, remove dead copper, pour order 3562): -3.196,126.852 -3.196,127.952 -12.443,127.952 -12.443,126.852
NetC1_2 on TOP "NETC1_2_L01_P3578" (solid, remove dead copper, pour order 3578): -14.943,125.252 -10.743,125.252 ccw(c-9.461,125.252) -9.461,123.97 -3.345,123.97 cw(c-3.345,122.231) -1.606,122.231 cw(c-3.164,122.231) -3.164,120.674 -3.805,120.674 cw(c-3.805,121.772) -4.597,121.011 ccw(c-6.385,119.29) -6.385,121.772 -12.443,121.772 -12.443,122.168 ccw(c-14.427,122.168) -14.427,124.152 -14.943,124.152
GND on TOP "GND_L01_P3566" (solid, remove dead copper, pour order 3566): -3.196,114.507 -3.196,115.607 -12.443,115.607 -12.443,114.507
NetC3_2 on TOP "NETC3_2_L01_P3575" (solid, remove dead copper, pour order 3575): -14.943,112.907 -10.743,112.907 ccw(c-9.461,112.907) -9.461,111.625 -3.345,111.625 cw(c-3.345,109.886) -1.606,109.886 cw(c-3.164,109.886) -3.164,108.329 -3.805,108.329 cw(c-3.805,109.427) -4.597,108.666 ccw(c-6.385,106.945) -6.385,109.427 -12.443,109.427 -12.443,109.823 ccw(c-14.427,109.823) -14.427,111.807 -14.943,111.807
GND on TOP "GND_L01_P3561" (solid, remove dead copper, pour order 3561): -3.196,102.162 -3.196,103.262 -12.443,103.262 -12.443,102.162
NetC4_2 on TOP "NETC4_2_L01_P3580" (solid, remove dead copper, pour order 3580): -14.943,100.562 -10.743,100.562 ccw(c-9.461,100.562) -9.461,99.28 -3.345,99.28 cw(c-3.345,97.541) -1.606,97.541 cw(c-3.164,97.541) -3.164,95.984 -3.805,95.984 cw(c-3.805,97.082) -4.597,96.321 ccw(c-6.385,94.6) -6.385,97.082 -12.443,97.082 -12.443,97.478 ccw(c-14.427,97.478) -14.427,99.462 -14.943,99.462